# Allegro board OPT8241-CDK-EVM SB REV2P0V1.brd (continued)
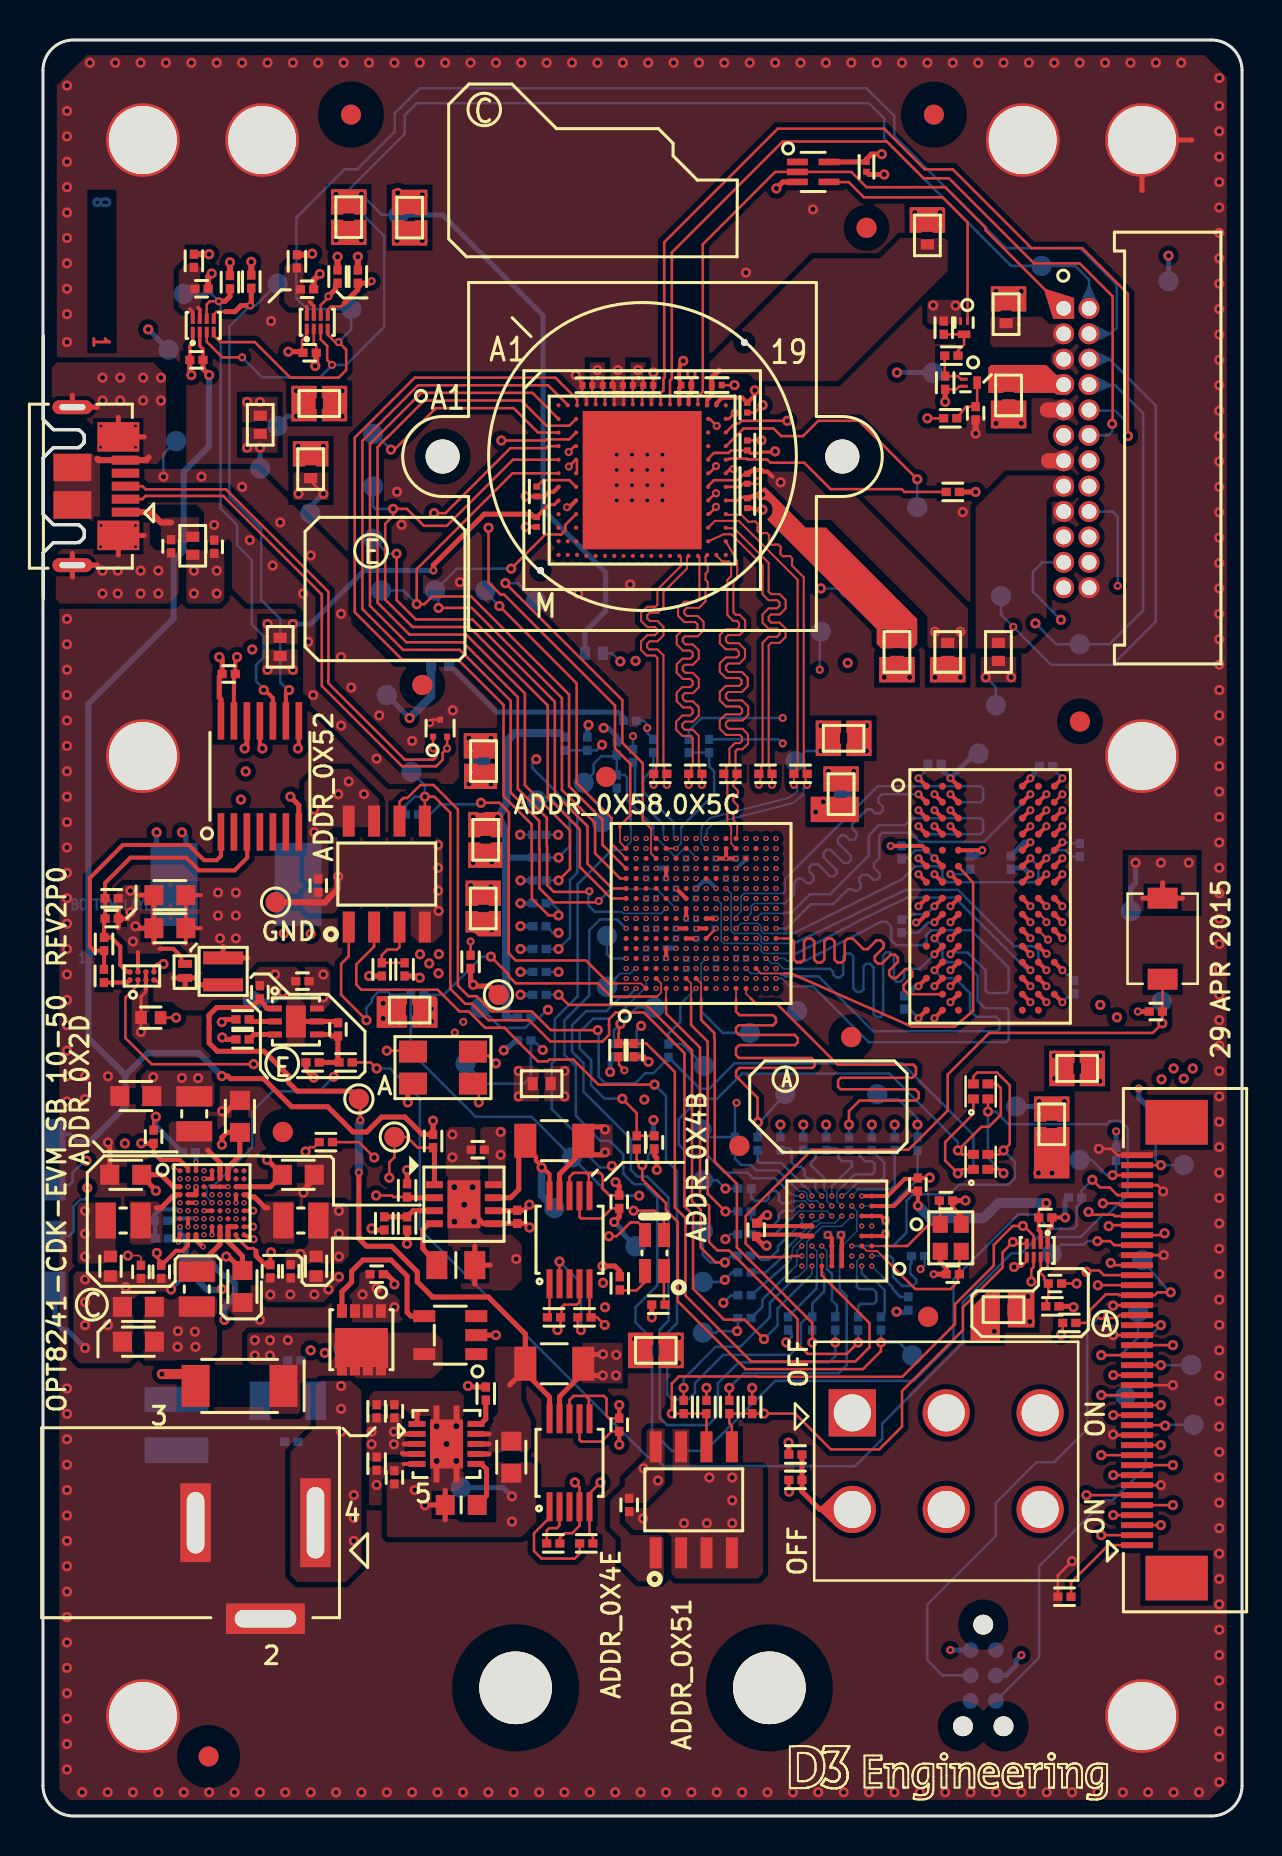
[diagram p0: board, top side]
## Text on the board (continued)
User.Comments: 2P0V1 | GENERAL NOTES:(UNLESS OTHERWISE SPECIFIED) | 5. | 4. | 6. | 7. | 1. | 2. | 3. | 9. | 8. | MINIMUM COPPER WALL THICKNESS OF PLATED-THRU | INDUSTRY PRACTICE. IPC-A-600C (Commercial Std.) | MINIMUM ANNULAR RING OF PLATED-THRU | 0.5 Oz ON LAYERS 2,3,6,7. | FINISHED BOARD THICKNESS: 1.6MM +/-10%. | ALL FABRICATION ITEM MUST MEET OR EXCEED BEST | MAXIMUM ALLOWABLE LINE REDUCTION TO BE | MAXIMUM WARP AND TWIST TO BE 0.005 INCH PER INCH. | LAMINATE MATERIAL: COPPER CLAD FR-4 High-Tg | COPPER WEIGHT: | HOLES TO BE 0.001 INCH. | HOLES TO BE 0.002 INCH. | PCB MATERIAL REQUIREMENT; | PCB MUST BEAR UL REGISTERED MATERIAL ID NUMBER. | 20% OR 0.002" WHICHEVER IS GREATER. | MUST MEET OR EXCEED UL94-V0 REQUIREMENTS. | 10 | THIS IS AN IMPEDANCE CONTROLLED BOARD | ALL DIMENSIONS ARE IN MM | 1 Oz ON LAYERS 1,4,5,8  AND | LAYER STACKUP | P1 | P2 | P3 | PROCESS NOTES: | 13. | 12. | 10. | 11. | P6. | P7. | P5. | P2. | P3. | P1. | P4. | SINGLE ENDED TRACES WITH 4.50MIL WIDTH IN INTERNAL LAYER 3,6 & | DIFFERENTIAL TRACES WITH 5.01MIL WIDTH AND 7.99MIL SPACING IN EXTERNAL | 5.00 MIL WIDTH IN EXTERNAL LAYER 1 & 8 TO BE 50 OHM +/-10% IMPEDANCE CONTROLLED | LAYER 1 & INTERNAL 6 TO BE 90 OHMS +/-10% IMPEDANCE CONTROLLED. | USE CONTOUR MENTIONED IN DRILL CHART | NEED TO BE TENTED ON TOP SIDE. | FLATNESS TOLERANCE IS +0.000/-0.001" ON BOTTOM SIDE AND +0.000/-0.003" ON TOP SIDE. | BOARD DIMENSION: 60.0MM X 88.8MM | FLATNESS TOLERANCE IS +0.000/-0.001" ON TOPSIDE AND +0.000/-0.003" ON BOTTOM SIDE. | 8.02 MIL DRILLS NEED TO BE PLATED OVER TO HAVE FILL AND FLAT FINISH IN BOTTOM SIDE. | DIFFERENTIAL TRACES WITH 4.00MIL WIDTH AND 8.00MIL SPACING IN EXTERNAL | 8MIL, 10MIL VIAS NEED TO BE TENTED ON BOTH SIDES. | 6.02 MIL DRILLS NEED TO BE PLATED OVER TO HAVE FILL AND FLAT FINISH IN BOTH SIDES. | LAYERS 1,8 &INTERNAL LAYERS 3,6 TO BE 100 OHMS +/-10% IMPEDANCE CONTROLLED. | IN TOP SIDE AND NEED TO BE TENTED ON BOTTOM SIDE. | SILKSCREEN BOTH SIDES PER ARTWORK.COLOR=WHITE. | PLATING: ENIG | SOLDERMASK BOTH SIDES PER ARTWORK BLACK LPI | THE VENDOR SHALL MODIFY THIS AS PER THEIR DFM. | 6.0MIL, 6.01MIL, 8.01MIL & 12 MIL DRILLS NEED TO BE PLATED OVER TO HAVE FILL AND FLAT FINISH | MASK CLEARANCE FOR SMT COMPONENTS WERE GIVEN AS SAME SIZE AS PAD SIZE EXCEPT | U3,U4,U6,U7,U8,U10,U12,U13 AND U16 COMPONENTS. | 11 | P4 | P5 | P7 | P6 | OPT8241-CDK-EVM SB 10-50 | FABRICATION | CDK-TINTIN | N
TOP: 1 | TOP LAYER
Ref Des/Silkscreen Top: A | GND | E | ADDR_0X58,0X5C | OPT8241-CDK-EVM SB 10-50  REV2P0 | ADDR_0X2D | ADDR_0X52 | ADDR_0X4E | ADDR_OX51 | ADDR_0X4B | OFF | ON | 29 APR 2015 | C
GND1: 2 | GND
SIG1: 3 | SIGNAL 1
PWR1: 4 | POWER SPLIT PLANE1
PWR2: 5 | POWER SPLIT PLANE2
SIG2: 6 | SIGNAL 2
GND2: 7 | GND/POWER SPLIT PLANE
User.8: 1519
User.9: 1519
User.10: 14. BOARDS SHALL BE RoHS and REACH COMPLIANT | 15. DO NOT USE CHEMICAL BATH FOR CLEANING THE BOARDS, | SO AS NOT TO DAMAGE THE OPTICAL SENSOR COATING.
User.11: INSTRUCTION: | FOR COMPONENT "U3" MATERIAL FOR THE SENSOR UNDERFILL  "LORD Thermoset ME-525"
User.13: TI - CONFIDENTIAL, NDA RESTRICTIONS | TEXAS INSTRUMENTS | OPT8241-CDK-EVM SB 10-50 | 08 MAY 2015 | PCB REV 2P1 | SHEET   OF 16
User.14: FABRICATION DRAWING
User.19: 11 | GND 4
User.20: PASTEMASK BOTTOM | 12
User.21: PASTEMASK TOP | 11
User.22: POWER SPLIT PLANE1
User.25: 7
User.26: 9 | SIGNAL 3
User.27: 10 | SIGNAL 4
User.28: SILKSCREEN BOTTOM | 14
User.29: SILKSCREEN TOP | 13
User.30: SOLDERMASK TOP | 9
User.31: SOLDERMASK BOTTOM | 10
User.33: X 4 PLACES | FR-4 | LAYER 7 | LAYER 8 | LAYER 5 | LAYER 6 | LAYER 2 | LAYER 4 | LAYER 3 | LAYER 1 | TOP | GND | BOTTOM | SIGNAL2 | SIGNAL1 | POWER SPLIT PLANE2 | POWER SPLIT PLANE1 | GND/POWER SPLIT PLANE
User.34: PRAKASH.A | SUBHASH | KARTHIK.K | 05/08/15 | 1
User.36: ASSEMBLY TOP | 15
User.37: ASSEMBLY BOTTOM | 16
User.45: FIGURE | SIZE | 6.0 | 6.01 | 6.02 | 8.0 | 8.01 | 8.02 | 10.0 | 12.0 | 29.13 | 73.0 | 134.0 | 23.62 | 39.02 | 67.0 | 143.0 | 51.18x11.81 | 121.11x34.5 | 140.8x34.5 | DRILL CHART: TOP to BOTTOM | ALL UNITS ARE IN MILS | TOLERANCE | +0.0/-6.0 | +0.0/-6.01 | +0.0/-6.02 | +0.0/-8.0 | +0.0/-8.01 | +0.0/-10.0 | +3.0/-3.0 | +2.01/-0.0 | +2.0/-2.0 | +0.0/-0.0 | +2.99/-2.99 | +1.0/-0.0 | PLATED | NON-PLATED | QTY | 227 | 8 | 35 | 129 | 16 | 4 | 718 | 10 | 24 | 6 | 2 | 3 | 1
